# KiCad board Lime_RFE.kicad_pcb (continued)
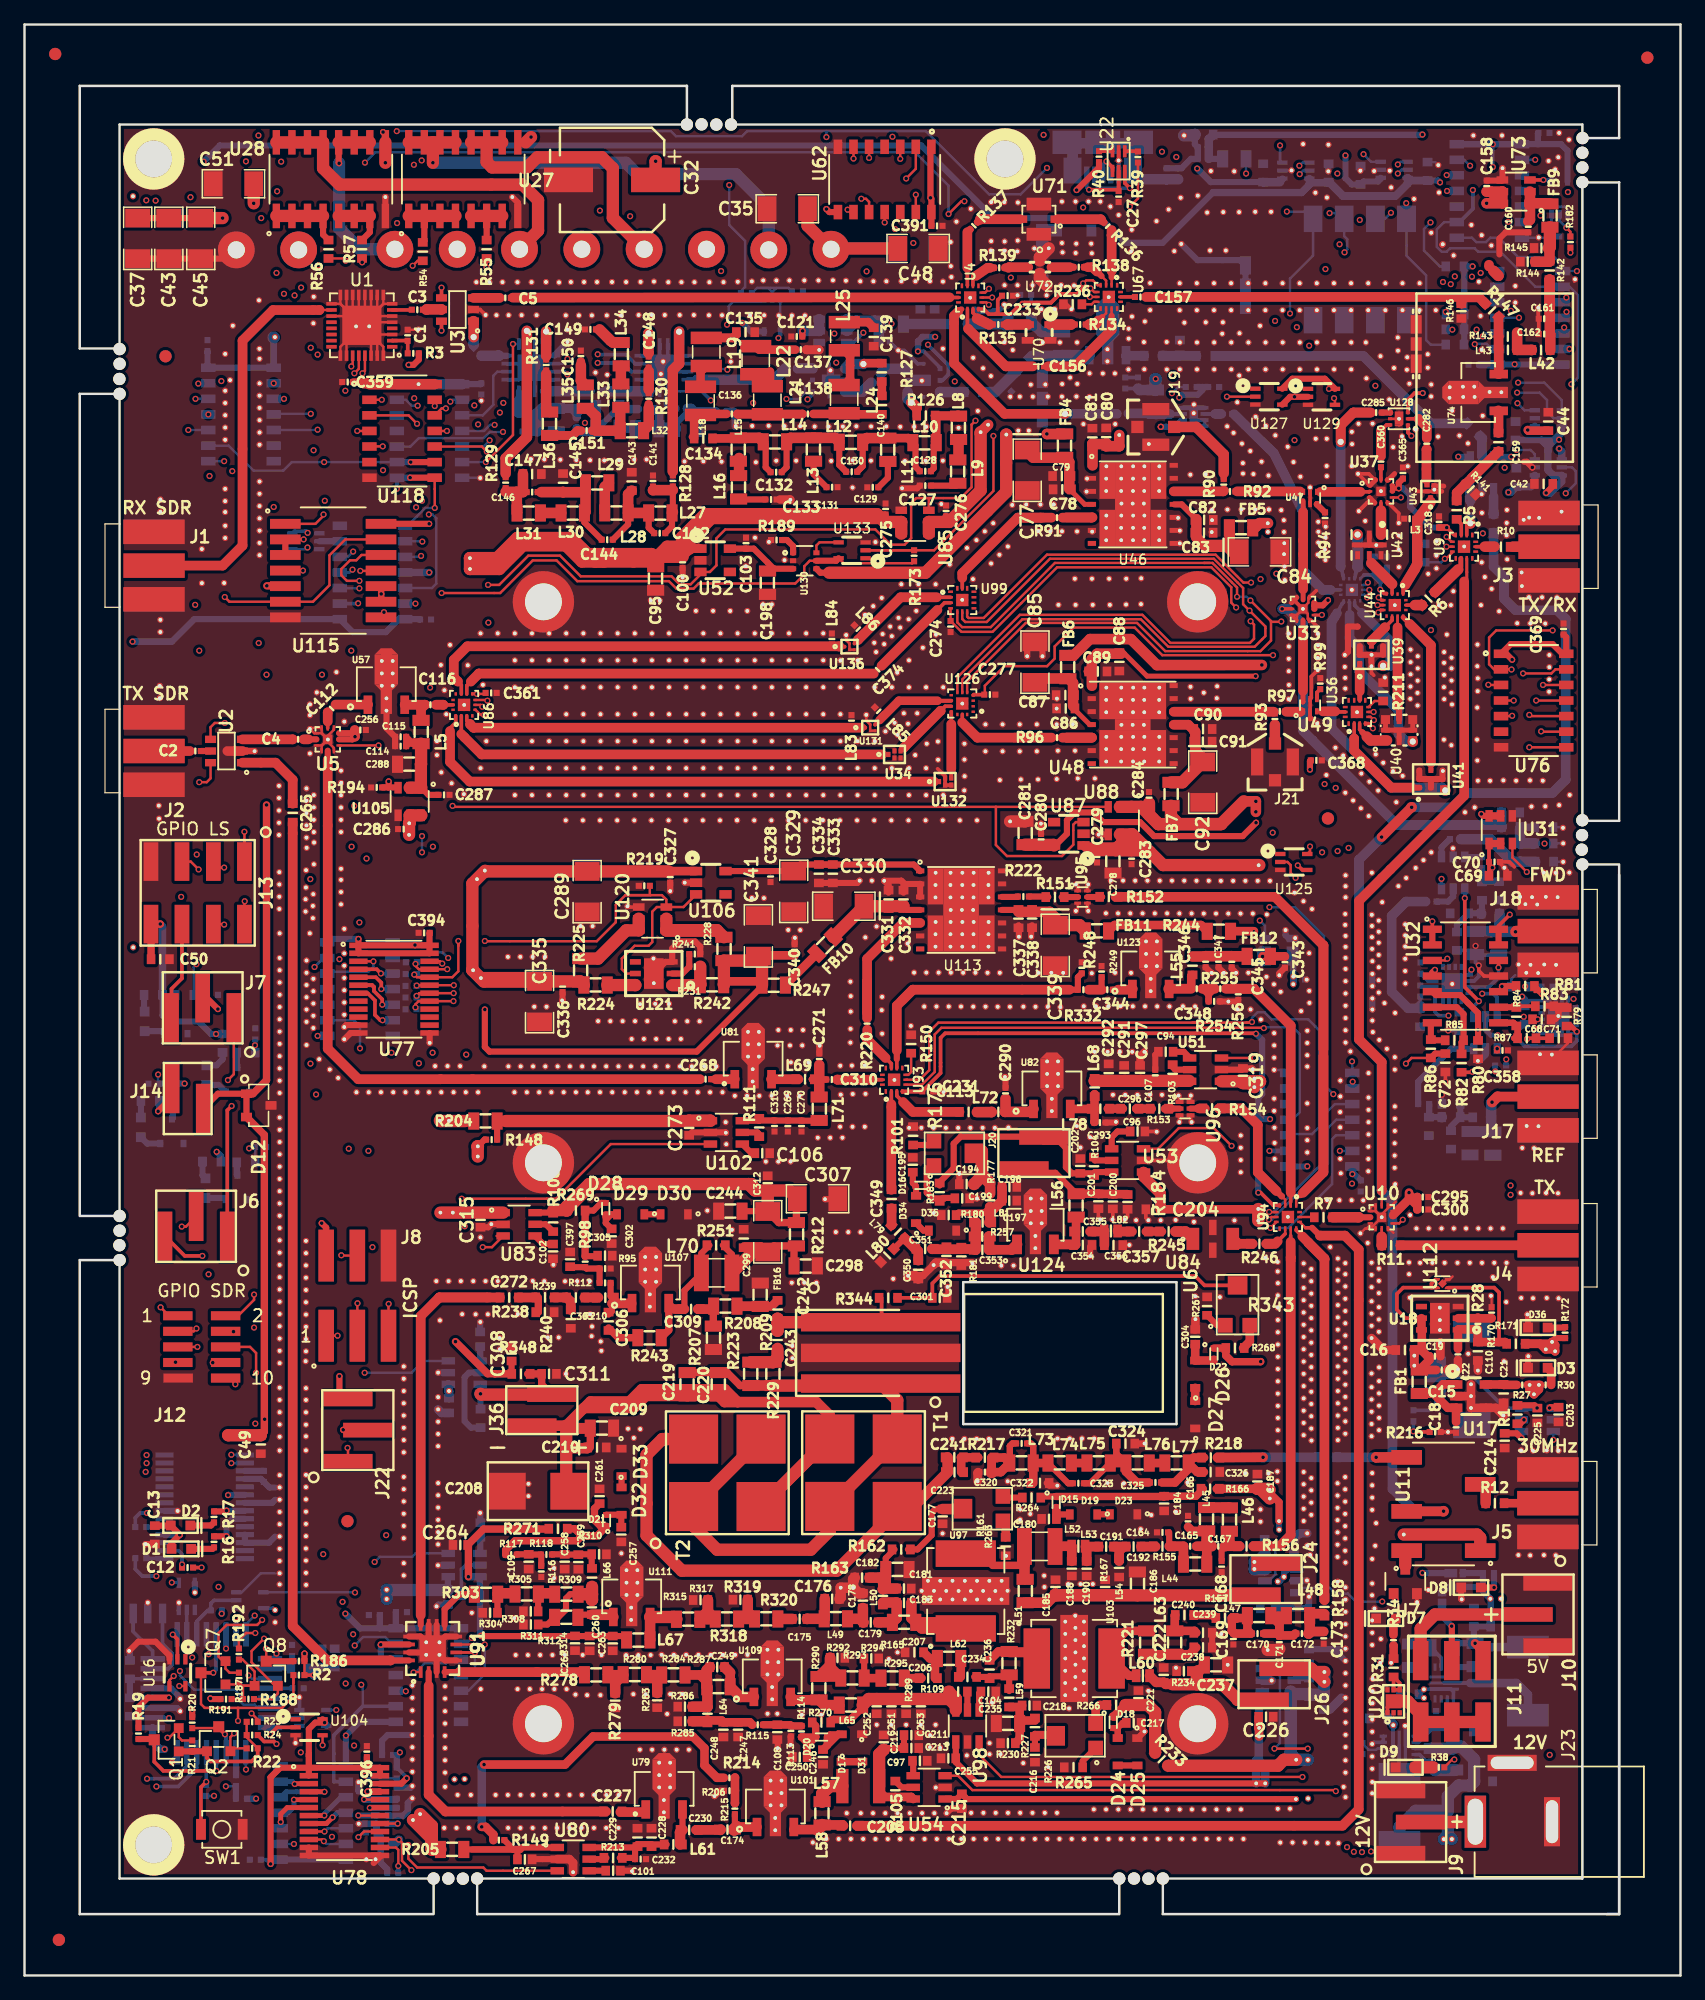
[diagram p0: board, top side]
## Placement (name value [footprint] x y rotation side) (continued)
R18  10K_0402_Yageo  [SMD0402]  15.64 29.75 0 bottom
R19  2k2_0402  [SMD0402]  9.29 19.72 90 top
R20  2k2_0402  [SMD0402]  13.67 20.61 90 top
R21  2k2_0402  [SMD0402]  13.67 18.7 270 top
R22  2k2_0402  [SMD0402]  18.56 18.51 0 top
R23  0R_0402_NF  [SMD0402]  18.56 20.67 180 top
R24  0R_0402  [SMD0402]  18.56 19.59 180 top
R25  619k_0805  [SMD0805]  115.63 26.7 180 bottom
R26  100k_0805  [SMD0805]  113.01 26.06 90 bottom
R27  0R_0402  [SMD0402]  122.1 48.13 180 top
R28  39K_0402_Yageo  [SMD0402]  118.48 53.11 270 top
R29  100k_0805  [SMD0805]  118.26 26.12 90 bottom
R30  330R_0402  [SMD0402]  124.01 48.13 180 top
R31  0R_0603  [SMD0603]  111.61 25.08 270 top
R32  976k_0805  [SMD0805]  114.76 19.45 90 bottom
R33  100k_0805  [SMD0805]  117.26 20.19 180 bottom
R34  680R_0402  [SMD0402]  111.6 27.33 90 top
R35  680R_0402  [SMD0402]  119.35 32.79 0 bottom
R36  100k_0805  [SMD0805]  116.59 17.7 90 bottom
R37  0R_0603  [SMD0603]  116.03 12.67 90 bottom
R38  1k_0402  [SMD0402]  115.3 16.96 0 top
R39  22R_0402  [SMD0402]  90.77 148.2 270 top
R40  22R_0402  [SMD0402]  87.6 148.23 270 top
R41  1M_0402  [SMD0402]  94.05 146.83 90 bottom
R42  DNI  [SMD0402]  10.56 72.68 180 bottom
R43  DNI  [SMD0402]  18.81 76.74 90 bottom
R44  DNI  [SMD0402]  15.32 79.92 0 bottom
R45  DNI  [SMD0402]  19.26 67.53 0 bottom
R46  47K_0603  [SMD0603]  12.08 71.98 90 bottom
R47  47K_0603  [SMD0603]  13.04 79.92 0 bottom
R48  220R_0603  [SMD0603]  10.24 71.28 0 bottom
R49  220R_0603  [SMD0603]  10.5 79.92 0 bottom
R50  47K_0603  [SMD0603]  18.05 75.22 0 bottom
R51  47K_0603  [SMD0603]  18.05 66.26 0 bottom
R52  220R_0603  [SMD0603]  16.15 75.98 90 bottom
R53  220R_0603  [SMD0603]  15.26 66.33 0 bottom
R54  0R_0603  [SMD0603]  32.47 140.5 270 top
R55  0R_0603  [SMD0603]  37.67 140.69 270 top
R56  0R_0603  [SMD0603]  24.78 140.69 270 top
R57  0R_0603  [SMD0603]  27.51 140.69 270 top
R58  10K_0603  [SMD0603]  116.63 135.38 0 bottom
R59  10K_0603  [SMD0603]  116.6 134.16 0 bottom
R60  10K_0603  [SMD0603]  116.6 139.29 0 bottom
R61  10K_0603  [SMD0603]  116.6 132.91 0 bottom
R62  120R_0805_Panasonic  [SMD0805]  119.71 67.8 270 bottom
R63  120R_0805_Panasonic  [SMD0805]  120.19 84.11 270 bottom
R64  120R_0805_Panasonic  [SMD0805]  117.84 67.83 270 bottom
R65  294R_0603_Yageo  [SMD0603]  121.15 94.79 0 bottom
R66  120R_0805_Panasonic  [SMD0805]  118.3 84.14 270 bottom
R67  249R_0603_Vishay_0p25W  [SMD0603]  118.82 69.94 180 bottom
R68  17R8_0603_Vishay  [SMD0603]  121.16 93.59 0 bottom
R69  249R_0603_Vishay_0p25W  [SMD0603]  119.5 86.54 180 bottom
R70  60R4_0603_Yageo  [SMD0603]  116.3 71.04 180 bottom
R71  294R_0603_Yageo  [SMD0603]  123.86 93.59 0 bottom
R72  60R4_0603_Yageo  [SMD0603]  116.97 86.56 180 bottom
R73  0R_0603_Stackpole  [SMD0603]  116.29 69.95 180 bottom
R74  0R_0603_Stackpole  [SMD0603]  121.93 91.51 270 bottom
R75  0R_0603_Stackpole  [SMD0603]  118.82 88.38 90 bottom
R76  52R3_0603_Yageo  [SMD0603]  113.78 78.08 270 bottom
R77  52R3_0603_Yageo  [SMD0603]  121.96 80.59 180 bottom
R78  11k5_0603_Yageo  [SMD0603]  122.29 78.28 90 bottom
R79  2k32_0603_Yageo  [SMD0603]  125.72 78.13 270 top
R80  20k_0603_Stackpole  [SMD0603]  118.5 75.46 90 top
R81  10k_0603_Stackpole  [SMD0603]  122.34 80.64 180 top
R82  10k_0603_Stackpole  [SMD0603]  117.15 74.36 270 top
R83  20k_0603_Stackpole  [SMD0603]  123.92 78.99 180 top
R84  20k_0603_Stackpole  [SMD0603]  121.62 78.14 270 top
R85  20k_0603_Stackpole  [SMD0603]  116.57 76.22 0 top
R86  0R_0603_Stackpole  [SMD0603]  114.65 75.53 270 top
R87  0R_0603_Stackpole  [SMD0603]  122.47 76.39 0 top
R88  11K_0402_Panasonic  [SMD0402]  96.94 129.46 180 bottom
R89  33K_0402_Yageo  [SMD0402]  95.12 129.46 0 bottom
R90  0RNF_0402_Yageo  [SMD0402]  97.76 121.5 270 top
R91  0R_0402_Yageo  [SMD0402]  84.17 118.81 180 top
R92  0R_0402_Yageo  [SMD0402]  98.27 120.94 0 top
R93  0RNF_0402_Yageo  [SMD0402]  101.93 102.4 90 top
R94  50R_0402_Yageo  [SMD0402]  106.02 118.79 270 top
R95  4.7K_0402_ROHM  [SMD0402]  47.33 57.61 0 top
R96  0R_0402_Yageo  [SMD0402]  84.17 100.88 180 top
R97  0R_0402_Yageo  [SMD0402]  102.33 103.02 0 top
R98  30K_0402_Yageo  [SMD0402]  45.71 58.17 90 top
R99  50R_0402_Yageo  [SMD0402]  105.63 105.28 90 top
R100  0RNF_0402_RC0402JR-070RL  [SMD0402]  17.68 14.41 0 bottom
R101  1K_0603  [SMD0603]  72.44 68.43 270 top
R102  330R_0603  [SMD0603]  101.1 34.79 270 bottom
R103  330R_0603  [SMD0603]  93.6 73.48 270 top
R104  330R_0603  [SMD0603]  87.19 65.95 270 top
R105  330R_0603  [SMD0603]  70.99 15.09 270 top
R106  330R_0603  [SMD0603]  104.72 23.48 270 bottom
R107  330R_0603  [SMD0603]  37.18 45.4 90 bottom
R108  330R_0603  [SMD0603]  43.1 61.37 90 top
R109  330R_0603  [SMD0603]  76.12 23.13 180 top
R110  330R_0603  [SMD0603]  36.37 30.98 0 bottom
R111  330R_0603  [SMD0603]  59.89 69.11 90 top
R112  100R_0402_ESR01MZPF1000  [SMD0402]  47.33 56.45 180 top
R113  10K_0402_Yageo  [SMD0402]  62.47 19.93 90 top
R114  35K_0402_Yageo  [SMD0402]  63.34 19.88 270 top
R115  100R_0402_ESR01MZPF1000  [SMD0402]  59.77 20.43 0 top
R116  10K_0402_Yageo  [SMD0402]  42.12 32.93 90 top
R117  35K_0402_Yageo  [SMD0402]  39.68 34.3 180 top
R118  100R_0402_ESR01MZPF1000  [SMD0402]  42.55 34.31 180 top
R119  0R_0603  [SMD0603]  96.28 131.99 0 bottom
R120  SMD_0603_NF  [SMD0603_gap05]  94.18 132.68 270 bottom
R121  0R_0603  [SMD0603]  76.16 134.59 180 bottom
R122  SMD_0603_NF  [SMD0603_gap05]  73.03 135.18 270 bottom
R123  SMD_0603_NF  [SMD0603_gap05]  74.2 135.18 270 bottom
R124  10K_0402_Yageo  [SMD0402]  80.13 129.41 135 bottom
R125  0R_0603  [SMD0603]  77.35 129.04 0 bottom
R126  0R_0603  [SMD0603]  73.48 127.12 180 top
R127  0R_0603  [SMD0603]  69.88 130.65 270 top
R128  1u_0402  [SMD0402]  52.85 121.8 270 top
R129  1u_0402  [SMD0402]  39.22 121.66 90 top
R130  1u_0402  [SMD0402]  50.88 131.49 270 top
R131  1u_0402  [SMD0402]  42.53 131.25 90 top
R132  1u_0402  [SMD0402]  53.59 127.71 0 bottom
R133  1u_0402  [SMD0402]  41.08 127.35 180 bottom
R134  1000pF_0402  [SMD0402]  86.06 134.55 0 top
R135  1000pF_0402  [SMD0402]  79.38 134.55 0 top
R136  1000pF_0402  [SMD0402]  88.3 142.56 315 top
R137  1000pF_0402  [SMD0402]  77.39 142.6 45 top
R138  1000pF_0402  [SMD0402]  85.94 139.22 0 top
R139  1000pF_0402  [SMD0402]  79.46 139.17 0 top
R140  10K_0402_Yageo  [SMD0402]  29.6 17.97 180 bottom
R141  SMD_0603_NF  [SMD0603_gap05]  117.9 121.13 135 top
R142  0R_0603  [SMD0603]  124.33 138.96 90 top
R143  1k_0402  [SMD0603]  120.92 133.57 0 top
R144  SMD_0603_NF  [SMD0603_gap05]  122.55 139.67 0 top
R145  SMD_0603_NF  [SMD0603_gap05]  123.66 140.78 0 top
R146  SMD_0603_NF  [SMD0603_gap05]  117.14 135.64 90 top
R147  0R_0603  [SMD0603]  119.64 135.71 315 top
R148  0R_0402_NF  [SMD0402]  38.08 68.12 0 top
R149  0R_0402_NF  [SMD0402]  38.67 11.03 0 top
R150  0R_0603  [SMD0603]  72.28 75.92 90 top
R151  0R_0603  [SMD0603]  84.01 87.89 180 top
R152  0R_0603  [SMD0603]  88.4 87.91 180 top
R153  0R_0603  [SMD0603]  92.51 70.64 0 top
R154  0R_0603  [SMD0603]  96.82 70.66 180 top
R155  0R_0603  [SMD0603]  92.77 34.97 180 top
R156  0R_0603  [SMD0603]  99.62 34.98 180 top
R157  0R_0603  [SMD0603]  97.87 29.13 0 top
R158  0R_0603  [SMD0603]  105.97 30.03 270 top
R159  5K1_0402  [SMD0402]  31.53 82.58 0 bottom
R160  5K1_0402  [SMD0402]  31.52 81.61 0 bottom
R161  10K_TRIMMER  [SMD_TC33X]  77.96 38.04 90 top
R162  1K_0603  [SMD0603]  71.47 34.72 180 top
R163  SMD_0603_NF  [SMD0603_gap05]  68.28 32.42 0 top
R164  5K1_0402  [SMD0402]  31.51 80.65 0 bottom
R165  50R_0805  [SMD0805]  71.71 28.78 180 top
R166  200R_0603  [SMD0603]  96.65 39.66 0 top
R167  SMD_0603_NF  [SMD0603_gap05]  88.1 31.66 90 top
R168  10K_0402_Yageo  [SMD0402]  30.35 16.51 90 bottom
R169  5K1_0402  [SMD0402]  31.51 79.7 0 bottom
R170  10K_0402_Yageo  [SMD0402]  119.6 54.02 270 top
R171  0R_0603  [SMD0603]  121.58 51.48 180 top
R172  150R_0402  [SMD0402]  125.6 52.4 90 top
R173  10K_0402_Yageo  [SMD0402]  72.52 115.71 90 top
R175  10K_0402_Yageo  [SMD0402]  58.84 137.1 0 bottom
R176  10K_TRIMMER  [SMD_TC33X]  75.94 67 270 top
R177  1K_0603  [SMD0603]  78.72 63.18 270 top
R178  10K_0402_Yageo  [SMD0402]  63.01 137.26 0 bottom
R180  SMD_0603_NF  [SMD0603_gap05]  75.34 61.97 0 top
R181  1.2pF_0603_KEMET  [SMD0603]  76.37 58.61 90 top
R182  10K_0402_Yageo  [SMD0402]  126.03 141.27 90 top
R183  200R_0603  [SMD0603]  74.6 63.84 90 top
R184  SMD_0603_NF  [SMD0603_gap05]  89.93 63.04 270 top
R185  10K_0402_Yageo  [SMD0402]  125.57 141.73 180 bottom
R186  2k2_0402  [SMD0402]  22.37 25.62 0 top
R187  2k2_0402  [SMD0402]  17.48 24.23 270 top
R188  2k2_0402  [SMD0402]  18.26 22.53 180 top
R189  33R2_0402  [SMD0402]  61.31 116.99 180 top
R191  0R_0402_NF  [SMD0402]  16.43 22.53 0 top
R192  0R_0402  [SMD0402]  17.48 26.2 270 top
R194  10K_0402_Yageo  [SMD0402]  28.71 96.83 0 top
R195  5K1_0402  [SMD0402]  31.51 78.74 0 bottom
R196  5K1_0402  [SMD0402]  27.71 15.03 0 bottom
R197  5K1_0402  [SMD0402]  30.34 14.85 270 bottom
R198  5K1_0402  [SMD0402]  30.79 13.66 180 bottom
R199  5K1_0402  [SMD0402]  29.15 13.06 180 bottom
R200  5K1_0402  [SMD0402]  29.15 12.35 0 bottom
R201  5K1_0402  [SMD0402]  28.26 11.65 180 bottom
R202  5K1_0402  [SMD0402]  29.5 10.69 0 bottom
R203  5K1_0402  [SMD0402]  30.02 8.38 0 bottom
R204  32.4R_0805_Vishay  [SMD0805]  37.58 69.64 180 top
R205  32.4R_0805_Vishay  [SMD0805]  34.86 10.27 180 top
R206  5K1_0402  [SMD0402]  57.47 15.06 180 top
R207  150R_0805_TE_Connectivity  [SMD0805]  56.16 51.97 90 top
R208  36.5R_0805_MULTICOMP  [SMD0805]  57.13 54.55 180 top
R209  150R_0805_TE_Connectivity  [SMD0805]  59.98 55.48 270 top
R210  3R_0603  [SMD0603]  47.35 55.24 180 top
R211  0R_0603  [SMD0603]  110.76 104.62 90 top
R212  150R_0805_TE_Connectivity  [SMD0805]  62.93 60.41 90 top
R213  330R_0603  [SMD0603]  47.98 9.58 0 top
R214  10K_0402_Yageo  [SMD0402]  57.47 16.11 180 top
R215  100R_0402_ESR01MZPF1000  [SMD0402]  57.91 13.6 90 top
R216  0R_0402_NF  [SMD0402]  115 44.29 180 top
R217  0R_0603  [SMD0603]  78.29 42.21 180 top
R218  0R_0603  [SMD0603]  96.71 42.21 180 top
R219  10K_0402_Yageo  [SMD0402]  50.53 88.81 0 top
R220  0R_0402_Yageo  [SMD0402]  68.69 77.57 270 top
R221  0R_0805_MULTICOMP  [SMD0805]  91.47 27.13 90 top
R222  0R_0402_Yageo  [SMD0402]  81.43 87.93 0 top
R223  1.2K_0805_Panasonic  [SMD0805]  59.21 49.03 270 top
R224  0R_0805_Yageo  [SMD0805]  46.55 80.72 180 top
R225  0RNF_0805_Yageo  [SMD0805]  45.35 81.92 270 top
R226  10K_TRIMMER  [SMD_TC33X]  85.52 19.53 90 top
R227  1K_0603  [SMD0603]  82.37 20.23 90 top
R228  0RNF_0805_Yageo  [SMD0805]  57.02 83.66 90 top
R229  1.2K_0805_Panasonic  [SMD0805]  61.03 49.03 270 top
R230  SMD_0603_NF  [SMD0603_gap05]  80.17 18.93 0 top
R231  80k_0402_Yageo  [SMD0402]  54.64 82.22 0 top
R232  50R_0805  [SMD0805]  80.27 25.45 270 top
R233  200R_0603  [SMD0603]  92.7 17.62 315 top
R234  SMD_0603_NF  [SMD0603_gap05]  94.52 24.8 180 top
R235  0R_0402_Yageo  [SMD0402]  113.23 45.61 270 bottom
R236  0R_0603  [SMD0603]  85.45 136.2 180 top
R238  150R_0603_Panasonic_250mW  [SMD0603]  42.42 54.06 180 top
R239  36.5R_0603_Yageo  [SMD0603]  42.43 55.26 0 top
R240  150R_0603_Panasonic_250mW  [SMD0603]  44.53 53.49 90 top
R241  10K_0402_Yageo  [SMD0402]  54.64 83.24 180 top
R242  0R_0805_Yageo  [SMD0805]  56.05 80.75 0 top
R243  680R_0805_ROHMSemiconductor_400mW  [SMD0805]  50.95 51.98 0 top
R244  0R_0805_Yageo  [SMD0805]  97.37 85.1 180 top
R245  0R_0603  [SMD0603]  93.27 60.63 180 top
R246  0R_0603  [SMD0603]  100.67 59.63 180 top
R247  0R_0805_Yageo  [SMD0805]  61.08 80.72 0 top
R248  0R_0402_NF  [SMD0402]  86.19 82.12 90 top
R249  0R_0402_NF  [SMD0402]  87.81 81.82 90 top
R251  330R_0603_ROHMSemiconductor_250mW  [SMD0603]  56.38 59.51 0 top
R254  0R_0402_NF  [SMD0402]  96.98 79.39 0 top
R255  0R_0402_Yageo  [SMD0402]  97.49 80.42 180 top
R256  0R_0402_NF  [SMD0402]  98.95 79.96 270 top
R257  30R_0603  [SMD0603]  78.08 60.23 180 top
R263  7.5K_0603  [SMD0603]  79.99 34.96 90 top
R264  10K_0603  [SMD0603]  82.1 38.95 0 top
R265  7.5K_0603  [SMD0603]  85.51 16.96 0 top
R266  10K_0603  [SMD0603]  88.99 22.04 0 top
R267  15K_0603  [SMD0603]  96.41 54.55 270 top
R268  4.99K_0603  [SMD0603]  98.68 51.14 180 top
R269  330R_0603  [SMD0603]  44.95 62.34 180 top
R270  330R_0603  [SMD0603]  64.97 20.62 0 top
R271  330R_0603  [SMD0603]  43.49 36.41 180 top
R278  47pF_0805_KEMET  [SMD0805]  46.6 24.51 0 top
R279  SMD_0603_NF  [SMD0603_gap05]  48.15 22.4 90 top
R280  0R_0805  [SMD0805]  49.75 24.51 180 top
R283  SMD_0603_NF  [SMD0603_gap05]  51.58 22.42 90 top
R284  0R_0805  [SMD0805]  52.9 24.49 180 top
R285  SMD_0603_NF  [SMD0603_gap05]  53.85 20.72 0 top
R286  SMD_0603_NF  [SMD0603_gap05]  53.85 21.9 0 top
R287  50R_0805  [SMD0805]  56.57 23.53 180 top
R289  SMD_0603_NF  [SMD0603_gap05]  71.87 21.93 270 top
R290  0R_0805  [SMD0805]  64.77 23.41 270 top
R292  SMD_0603_NF  [SMD0603_gap05]  66.27 25.89 180 top
R293  0R_0805  [SMD0805]  67.5 24.24 180 top
R294  SMD_0603_NF  [SMD0603_gap05]  69.03 25.84 180 top
R295  0R_0805  [SMD0805]  70.77 24.23 180 top
R303  150pF_0805  [SMD0805]  37.62 31.07 0 top
R304  SMD_0603_NF  [SMD0603_gap05]  37.95 29.56 0 top
R305  0R_0805  [SMD0805]  40.94 31.08 180 top
R308  SMD_0603_NF  [SMD0603_gap05]  41.27 29.67 0 top
R309  0R_0805  [SMD0805]  44.18 31.07 180 top
R310  SMD_0603_NF  [SMD0603_gap05]  46.84 34.33 180 top
R311  SMD_0603_NF  [SMD0603_gap05]  41.28 28.6 0 top
R312  50R_0805  [SMD0805]  44.16 29.18 180 top
R314  SMD_0603_NF  [SMD0603_gap05]  44.88 27.07 270 top
R315  0R_0805  [SMD0805]  54.1 29.03 180 top
R317  SMD_0603_NF  [SMD0603_gap05]  55.11 30.6 0 top
R318  0R_0805  [SMD0805]  57.26 29.04 180 top
R319  SMD_0603_NF  [SMD0603_gap05]  58.36 30.62 0 top
R320  0R_0805  [SMD0805]  60.46 29.06 180 top
R332  0R_0402_Yageo  [SMD0402]  86.32 80.34 180 top
R343  10K_TRIMMER  [SMD_TC33X]  98.89 54.79 0 top
R344  1K_0603  [SMD0603]  70.42 55.23 180 top
R348  1K_0603  [SMD0603]  40.47 49.03 0 top
REF**  -  [3600213120S_RF_Shield_Cover]  119.86 130.22 90 top
Ref**  -  [S1001-46R]  113.45 132.96 270 top
REF**#2  -  [36003160S_RF_Shield_Cover]  91.25 133.93 0 bottom
Ref**#2  -  [S0981-46R]  82.97 142.72 90 bottom
Ref**#3  -  [S1001-46R]  99.54 137.76 90 bottom
Ref**#4  -  [S1001-46R]  82.97 128.52 90 bottom
SW1  SW_PUSH  [B3U-1000P]  16.08 11.91 180 top
SW2  -  [ADE04S04]  108.86 139.03 270 bottom
T1  -  [744889020100]  68.4 40.97 270 top
T2  -  [744889020100]  57.3 40.97 90 top
TRANS_VIA  VAL**  [TRANS_VIA]  72.31 128.17 0 top
TRANS_VIA#2  VAL**  [TRANS_VIA]  68.38 131.33 0 top
TRANS_VIA#3  VAL**  [TRANS_VIA]  113.17 100.56 0 top
TRANS_VIA#4  VAL**  [TRANS_VIA]  115.82 96.58 0 top
TRANS_VIA#5  VAL**  [TRANS_VIA]  110.75 106.73 0 top
TRANS_VIA#6  VAL**  [TRANS_VIA]  108.67 117.43 0 top
TRANS_VIA#7  VAL**  [TRANS_VIA]  107.29 124.99 0 top
TRANS_VIA#8  VAL**  [TRANS_VIA]  117.86 118.35 0 top
TRANS_VIA#9  VAL**  [TRANS_VIA]  53.36 133.96 0 top
TRANS_VIA#10  VAL**  [TRANS_VIA]  50.86 133.83 0 top
TRANS_VIA#11  VAL**  [TRANS_VIA]  42.52 133.98 0 top
TRANS_VIA#12  VAL**  [TRANS_VIA]  40.95 134.03 0 top
TRANS_VIA#13  VAL**  [TRANS_VIA]  84.83 127.27 0 top
TRANS_VIA#14  VAL**  [TRANS_VIA]  36.61 133.52 0 top
U1  -  [F1956NBGI8]  27.5 134.49 180 top
U2  -  [HMC544AE]  16.46 99.79 90 top
U3  -  [HMC544AE]  35.29 135.77 90 top
U4  SKY13415-485LF  [14QFN_SKY13415-485LF]  77.09 136.75 90 top
U5  SKYA21003  [SKYA21003_12QFN]  24.72 100.74 0 top
U6  -  [RD16HHF1]  76.3 50.74 270 top
U7  DRDC3105F-7  [DRDC3105F-7_SOT23]  112.57 32.12 0 top
U8  -  [HMC544AE]  118.81 122.47 180 bottom
U9  SKY13414-485LF  [14QFN_SKY13414-485LF]  117.35 116.44 270 top
U10  SKYA21003  [SKYA21003_12QFN]  110.64 61.79 0 top
U11  -  [1462042-8]  115.68 38.43 90 top
U12  -  [ATMEGA328P-AU]  15.26 23.02 0 bottom
U13  -  [FT232RL]  14.69 38.2 90 bottom
U14  -  [SN74LV1T04]  18.37 30.58 0 bottom
U15  -  [SN74LV1T34]  13.23 30.89 90 bottom
U16  -  [SN74LV1T34]  12.46 24.67 270 top
U17  NCP702_3V0  [NCP702_TSOP5]  117.92 47.21 0 top
U18  -  [LD39200]  115.38 53.56 180 top
U19  -  [TPS62136RGXT]  115.74 23.83 0 bottom
U20  NCP349  [6-DFN]  111.61 22.33 90 top
U21  -  [TPS62136RGXT]  112.07 18.75 270 bottom
U22  USBULC6-2P6  [SOT-666]  89.2 147.87 270 top
U23  -  [74LVC1T45]  103.65 147.1 0 bottom
U24  -  [74LVC1T45]  111.65 147.16 0 bottom
U25  -  [74LVC1T45]  124.22 126.91 0 bottom
U26  -  [74LVC1T45]  124.22 122.91 0 bottom
U27  -  [ULN2003D1013TR]  35.77 146.4 0 top
U28  -  [ULN2003D1013TR]  24.97 146.4 0 top
U29  -  [HMC544AE]  116.47 89.86 0 bottom
U30  -  [HMC544AE]  119.1 76.83 180 bottom
U31  NCP331SNT1G  [TSOP-6]  120.35 93.38 0 top
U32  LMC660CMX/NOPB  [M14A]  117.47 81.45 270 top
U33  SKYA21003  [SKYA21003_12QFN]  104.22 111.37 0 top
U34  -  [B39202B9477P810]  70.92 99.51 0 top
U35  SKY13416-485LF  [14QFN_SKY13416-485LF]  108.21 112.92 270 bottom
U36  SKY13414-485LF  [14QFN_SKY13414-485LF]  108.62 102.97 90 top
U37  SKYA21003  [SKYA21003_12QFN]  110.58 120.95 0 top
U39  -  [QPQ1297]  109.8 107.63 90 top
U40  -  [TQM963014]  112.06 101.49 270 top
U41  -  [QPQ1282]  114.65 97.5 90 top
U42  -  [TQQ6107]  109.63 116.58 270 top
U43  -  [885026]  114.62 120.95 90 top
U44  SKY13416-485LF  [14QFN_SKY13416-485LF]  111.71 111.68 270 top
U45  -  [TQP3M9037]  95.31 127.01 270 bottom
U46  -  [QPA9426]  90.35 119.89 0 top
U47  -  [HHM22137A2]  104.8 120.41 180 top
U48  -  [QPA9419]  90.34 101.94 0 top
U49  -  [HHM22139A2]  104.8 103.52 0 top
U50  TPS22810DBVR  [SOT23_TPS22810DBVR]  102.42 32.15 180 bottom
U51  TPS22810DBVR  [SOT23_TPS22810DBVR]  96.28 73.82 180 top
U52  NCP702_2V8  [NCP702_TSOP5]  56.3 115.34 0 top
U53  TPS22810DBVR  [SOT23_TPS22810DBVR]  89.93 66.43 180 top
U54  TPS22810DBVR  [SOT23_TPS22810DBVR]  73.75 15.33 180 top
U55  TPS22810DBVR  [SOT23_TPS22810DBVR]  102.21 24.06 0 bottom
U56  TPS22810DBVR  [SOT23_TPS22810DBVR]  35.85 49.13 0 bottom
U57  RFGA2054  [SOT89_RFGA2054]  29.49 105.35 0 top
U58  -  [MASW-008566-TR3000]  41.27 131.03 270 bottom
U59  -  [MASW-008566-TR3000]  52.11 131.03 90 bottom
U60  -  [74LV164D,118]  33.01 125.88 180 bottom
U61  -  [PE4245]  65.57 130.02 180 bottom
U62  -  [74LV164D,118]  70.12 146.38 270 top
U63  -  [PE4245]  73.31 130 0 bottom
U64  74LVC1G08GW  [74LVC1G08GW_TSSOP-5]  60.95 135.33 0 bottom
U65  NCP331SNT1G  [TSOP-6]  65.9 134.03 270 bottom
U66  GALI-74+  [SOT89]  88.3 133.84 180 bottom
U67  SKY13414-485LF  [14QFN_SKY13414-485LF]  88.4 136.8 270 top
U68  -  [74LV164D,118]  119.42 145.44 180 bottom
U69  74LVC1G08GW  [74LVC1G08GW_TSSOP-5]  125.14 144.88 180 bottom
U70  -  [BP0805A1308ASTR]  82.71 133.9 270 top
U71  -  [DEA252400BT-2030A1]  82.69 143.13 180 top
U72  -  [3600BP14M0600T]  82.77 139.22 0 top
U73  NCP331SNT1G  [TSOP-6]  121.6 145.38 90 top
U74  ADL5611ARKZ-R7  [SOT89_ADL5611ARKZ-R7]  120.93 129.01 90 top
U75  -  [74LV164D,118]  27.34 80.39 180 bottom
U76  -  [74LV164D,118]  123.03 103.91 0 top
U77  -  [SN74LVCH8T245PWR]  30.12 80.38 0 top
U78  -  [SN74LVCH8T245PWR]  26.08 13.36 0 top
U79  QPA6489A  [SOT89_QPA6489A]  52.14 12.78 0 top
U80  TPS22810DBVR  [SOT23_TPS22810DBVR]  44.73 9.48 0 top
U81  QPA6489A  [SOT89_QPA6489A]  59.4 72.3 0 top
U82  MAAM-009560-TR3000  [SOT89_MAAM-009560]  83.75 72.41 0 top
U83  TPS22810DBVR  [SOT23_TPS22810DBVR]  40.32 61.22 0 top
U84  -  [LFCN-1450+]  96.87 60.03 0 top
U85  NCP331SNT1G  [TSOP-6]  72.6 118.46 90 top
U86  SKY13416-485LF  [14QFN_SKY13416-485LF]  35.83 103.55 90 top
U87  NCP702_2V8  [NCP702_TSOP5]  85.13 93.05 180 top
U88  NF_NCP331SNT1G  [TSOP-6]  89.3 94.12 180 top
U89  -  [74LV164D,118]  32.92 24.48 180 bottom
U90  -  [74LV164D,118]  105.59 69.74 0 bottom
U91  -  [MASW-008566-TR3000]  33.27 26.65 90 top
U92  -  [74LV164D,118]  23.54 13.26 0 bottom
U93  SKY13414-485LF  [14QFN_SKY13414-485LF]  70.89 73 90 top
U94  SKY13418-485LF  [14QFN_SKY13418-485LF]  103 61.81 270 top
U95  -  [2450LP14B100T]  86.25 87.89 90 top
U96  -  [DEA163800LT-5017C1]  94.61 70.65 90 top
U97  AFT09MS007NT1  [SMD_AFT09MS007NT1]  76.73 31.33 0 top
U98  TPS22810DBVR  [SOT23_TPS22810DBVR]  76.87 20.33 90 top
U99  SKY13414-485LF  [14QFN_SKY13414-485LF]  76.45 112.1 0 top
U100  TPS22810DBVR  [SOT23_TPS22810DBVR]  35.83 33.45 0 bottom
U101  -  [RD01MUS2B]  61.21 13.89 0 top
U102  TPS22810DBVR  [SOT23_TPS22810DBVR]  57.22 68.71 0 top